# Altium PCB iTOP4412_main_Clasics_v3_2.PcbDoc (part 2 of 7)
Units mil, origin at the board's own origin, x right, y up, seen from the top; angles counter-clockwise.
Board outline 4331.71 x 7481.31 mil, 2 copper layers (TOP, BOTTOM), stack 10.4 mil thick; 260 components, 380 nets, 1380 pads, 1110 vias.
Unrouted connection lines stored in the file: 1.
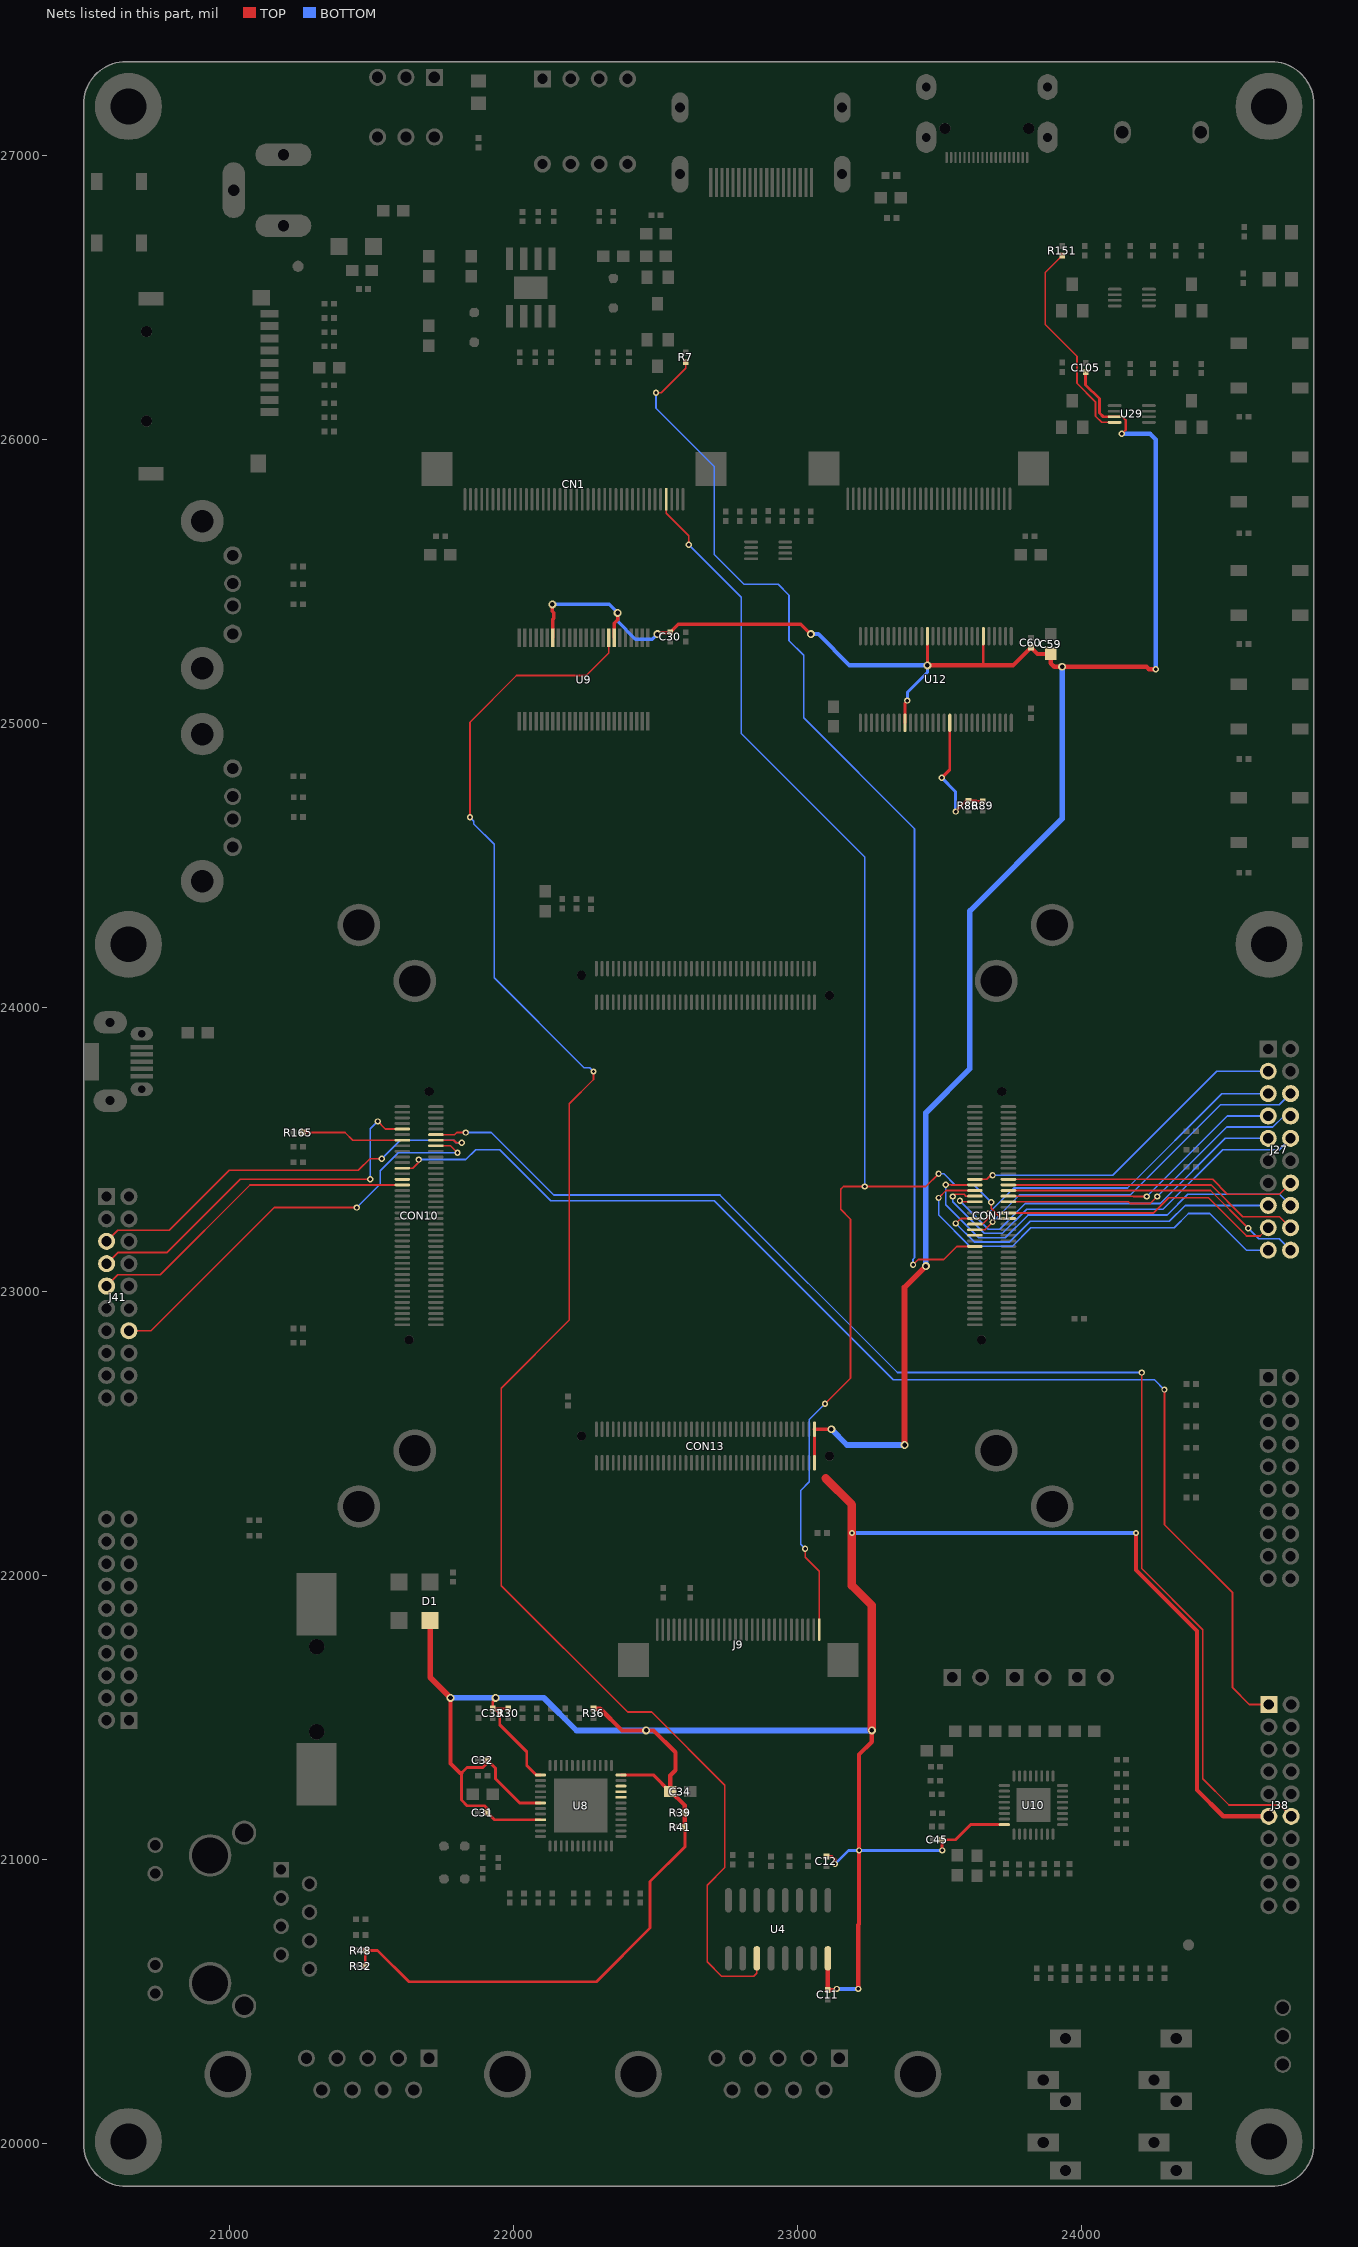
[diagram p2: the nets of this part, all layers, seen from the top]

## Via types
v1: diameter 22, hole 12, TOP to BOTTOM, 637 vias
v2: diameter 28, hole 16, TOP to BOTTOM, 350 vias
v3: diameter 24, hole 12, TOP to BOTTOM, 111 vias
v4: diameter 40, hole 24, TOP to BOTTOM, 12 vias

## Nets (pads, with @x,y where several pads share a name; then routed paths per layer and width w, separated by ;. In a path a pad name is that pad's centre, name@x,y a point inside that pad or via, vN(x,y) a via of type N, cw(c..) or ccw(c..) an arc to the next point about the centre after c; other vN are vias at no path point) (continued)
BUF_XUTXD2/UART_AUDIO_TXD: U4.11 U9.8 | length 5989
  TOP w6: v1(21847.85,24670.57) 21847.85,25005.57 22011.85,25169.57 22256.85,25169.57 22336.43,25249.15 U9.8@22336.43,25303.21 ; v1(22282.85,23775.57) 22282.85,23747.29 22197.85,23662.29 22197.85,22900.57 21957.85,22660.57 21957.85,21965.57 22402.85,21520.57 22487.85,21520.57 22745.35,21263.07 22745.35,20973.07 22682.85,20910.57 22682.85,20640.9 22733.19,20590.57 22847.52,20590.57 22857.85,20600.9 U4.11@22857.85,20653.21
  BOTTOM w6: v1(21847.85,24670.57) 21861.29,24657.13 21861.29,24647.13 21932.85,24575.57 21932.85,24105.57 22249.42,23789.01 22269.42,23789.01 v1(22282.85,23775.57)
CAM2M_PWDN: CON11.46 J27.6 | length 1310
  TOP w6: CON11.46@23625.65,23218.69 23660.97,23218.69 v1(23687.85,23245.57)
  BOTTOM w6: v1(23687.85,23245.57) 23782.85,23340.57 24172.85,23340.57 24490.28,23658 24697.48,23658 J27.6@24737.22,23697.74
CAM2M_RST: CON11.44 J27.5 | length 1232.9
  TOP w6: CON11.44@23625.65,23238.36 23652.36,23238.36 23672.85,23258.86 v1(23672.85,23275.57)
  BOTTOM w6: v1(23672.85,23275.57) 23762.85,23365.57 24162.85,23365.57 24495.02,23697.74 J27.5@24658.48,23697.74
CAM5M_PWDN: CON11.48
CAM5M_RST: CN1.37 CON11.41 J9.30 | length 5064.9
  TOP w6: CN1.37@22538.7,25790.33 22538.7,25741.33 22617.85,25662.18 v1(22617.85,25630.57) ; v1(23027.85,22095.57) 23027.85,22065.57 23077.86,22015.56 J9.30@23077.86,21810.57 ; v1(23097.85,22605.57) 23187.85,22695.57 23187.85,23255.57 23152.85,23290.57 23152.85,23360.57 23162.85,23370.57 v1(23237.85,23370.57) 23452.85,23370.57 v1(23497.85,23415.57) ; v1(23682.85,23315.57) 23682.85,23293.86 23718.66,23258.06 CON11.41@23743.76,23258.06
  BOTTOM w6: v1(22617.85,25630.57) 22802.85,25445.57 22802.85,24965.57 23237.85,24530.57 v1(23237.85,23370.57) ; v1(23027.85,22095.57) 23012.85,22110.57 23012.85,22300.57 23042.85,22330.57 23042.85,22550.57 v1(23097.85,22605.57) ; v1(23497.85,23415.57) 23516.85,23415.57 23556.85,23375.57 23622.85,23375.57 v1(23682.85,23315.57)
CAM_D0: CON11.30 J27.16 | length 1515
  TOP w6: v1(23522.85,23376.82) 23541.85,23376.82 23542.51,23376.17 CON11.30@23625.65,23376.17
  BOTTOM w6: v1(23522.85,23376.82) 23522.85,23306.57 23638.85,23190.57 23732.85,23190.57 23812.85,23270.57 24302.85,23270.57 24375.32,23343.04 24698.22,23343.04 J27.16@24737.22,23304.04
CAM_D1: CON11.29 J27.18 | length 1056
  TOP w6: CON11.29@23743.76,23376.17 24457.26,23376.17 24569.13,23264.29 24698.22,23264.29 J27.18@24737.22,23225.29
CAM_D2: CON11.32 J27.19 | length 1505.8
  TOP w6: v1(23497.85,23330.57) 23523.76,23356.47 CON11.32@23625.65,23356.47
  BOTTOM w6: v1(23497.85,23330.57) 23497.85,23270.57 23607.85,23160.57 23757.85,23160.57 23822.85,23225.57 24327.85,23225.57 24377.85,23275.57 24452.85,23275.57 24581.87,23146.56 J27.19@24658.48,23146.56
CAM_D3: CON11.31 J27.20 | length 1080.4
  TOP w6: CON11.31@23743.76,23356.47 24455.31,23356.47 v1(24587.85,23223.92)
  BOTTOM w6: v1(24587.85,23223.92) 24625.48,23186.29 24697.48,23186.29 J27.20@24737.22,23146.56
CAM_D4: CON11.34 J27.10 | length 1476.3
  TOP w6: v1(23547.85,23335.57) 23555.16,23342.88 23587.83,23342.88 23593.9,23336.8 CON11.34@23625.65,23336.8
  BOTTOM w6: v1(23547.85,23335.57) 23547.85,23316.57 23658.85,23205.57 23722.85,23205.57 23807.85,23290.57 24287.85,23290.57 24497.85,23500.57 24697.54,23500.57 J27.10@24737.22,23540.26
CAM_D5: CON11.33 J27.7 | length 1032.6
  TOP w6: CON11.33@23743.76,23336.8 24182.63,23336.8 24183.85,23335.57 v1(24230.42,23335.57)
  BOTTOM w6: v1(24230.42,23335.57) 24513.84,23619 J27.7@24658.48,23619
CAM_D6: CON11.36 J27.9 | length 1313.7
  TOP w6: v1(23572.85,23320.57) 23576.32,23317.1 CON11.36@23625.65,23317.1
  BOTTOM w6: v1(23572.85,23320.57) 23672.85,23220.57 23712.85,23220.57 23802.85,23310.57 24277.85,23310.57 24507.54,23540.26 J27.9@24658.48,23540.26
CAM_D7: CON11.35 J27.8 | length 1123.9
  TOP w6: CON11.35@23743.76,23317.1 24166.32,23317.1 24172.85,23310.57 24242.85,23310.57 v1(24267.85,23335.57)
  BOTTOM w6: v1(24267.85,23335.57) 24512.28,23580 24674.64,23580 24713.64,23619 J27.8@24737.22,23619
CAM_HREF: CON11.27 J27.14 | length 1031.2
  TOP w6: CON11.27@23743.76,23395.84 24462.58,23395.84 24514.65,23343.78 24698.22,23343.78 J27.14@24737.22,23382.78
CAM_MCLK: CON11.28 J27.3 | length 1190.5
  TOP w6: CON11.28@23625.65,23395.84 23667.85,23395.84 23680.04,23408.03 23685.31,23408.03 v1(23687.85,23410.57)
  BOTTOM w6: v1(23687.85,23410.57) 24110.85,23410.57 24476.76,23776.48 J27.3@24658.48,23776.48
CAM_PCLK: CON11.39 J27.17 | length 1004.2
  TOP w6: CON11.39@23743.76,23277.73 24252.85,23277.73 24255.02,23277.74 24307.85,23330.57 24447.85,23330.57 24582.12,23196.3 24629.49,23196.3 J27.17@24658.48,23225.29
CAM_VSYNC: CON11.42 J27.15 | length 1255.8
  TOP w6: v1(23557.85,23240.57) 23575.34,23258.06 CON11.42@23625.65,23258.06
  BOTTOM w6: v1(23557.85,23240.57) 23622.85,23175.57 23747.85,23175.57 23820.35,23248.07 24310.35,23248.07 24366.32,23304.04 J27.15@24658.48,23304.04
CBL_CEC: R151.1 U29.8 | length 741
  TOP w6: R151.1@23932.85,26649.07 23932.85,26648.57 23872.85,26588.57 23872.85,26405.57 23984.85,26293.57 23984.85,26198.57 24049.85,26133.57 24049.85,26083.57 24072.39,26061.03 U29.8@24117.81,26061.03
CHG_COK: CON10.66 J41.14 | length 1529.1
  TOP w6: J41.14@20647.22,22862.78 20725.06,22862.78 21158.85,23296.57 v1(21448.85,23296.57) ; CON10.66@21728.01,23513.95 21779.47,23513.95 v1(21803.85,23489.57)
  BOTTOM w6: v1(21448.85,23296.57) 21531.85,23379.57 21531.85,23425.57 21595.85,23489.57 v1(21803.85,23489.57)
CHG_DOK: CON10.67 R165.1 | length 361.8
  TOP w6: R165.1@21259.35,23560.57 21407.85,23560.57 21434.85,23533.57 21444.14,23533.57 21444.21,23533.64 CON10.67@21609.9,23533.64
CHG_EN: CON11.52 R7.2 | length 3926.7
  TOP w6: v1(22502.85,26165.57) 22521.85,26165.57 22607.85,26251.57 R7.2@22607.85,26274.07 ; v1(23407.85,23095.57) 23425.85,23113.57 23515.85,23113.57 23561.9,23159.62 CON11.52@23625.65,23159.62
  BOTTOM w6: v1(22502.85,26165.57) 22502.85,26110.57 22707.85,25905.57 22707.85,25595.57 22812.85,25490.57 22932.85,25490.57 22970.85,25452.57 22970.85,25292.57 23022.85,25240.57 23022.85,25020.57 23412.85,24630.57 23412.85,23119.57 23407.85,23114.57 v1(23407.85,23095.57)
CHG_FLT: CON10.68 J41.5 | length 1496.4
  TOP w6: J41.5@20568.48,23177.74 20607.48,23216.74 20789.02,23216.74 20999.85,23427.57 21454.85,23427.57 21495.85,23468.57 v1(21536.85,23468.57) ; CON10.68@21728.01,23533.64 21790.78,23533.64 21799.85,23524.57 v1(21818.85,23524.57)
  BOTTOM w6: v1(21536.85,23468.57) 21602.29,23534.01 21790.42,23534.01 21799.85,23524.57 v1(21818.85,23524.57)
CHG_UOK: CON10.71 J41.7 | length 1363.9
  TOP w6: J41.7@20568.48,23099 20607.48,23138 20780.28,23138 21038.45,23396.17 v1(21496.85,23396.17) ; v1(21523.19,23599.84) 21550.02,23573.01 CON10.71@21609.9,23573.01
  BOTTOM w6: v1(21496.85,23396.17) 21496.85,23573.5 v1(21523.19,23599.84)
CLK_SEL: R86.2 R89.1 U12.17 | length 455.2
  TOP w10: v1(23508.71,24809.71) 23537.07,24838.07 U12.17@23537.07,25003.33 ; v1(23557.85,24690.57) 23594.67,24727.39 R86.2@23602.85,24727.39 23631.54,24727.39 23631.85,24727.07 R89.1@23652.85,24727.07
  BOTTOM w10: v1(23508.71,24809.71) 23557.85,24760.57 v1(23557.85,24690.57)
COMPASS_RDY: CON10.57 J38.1 | length 4366.6
  TOP w6: CON10.57@21609.9,23435.21 21646.4,23435.21 21667.85,23456.67 v1(21667.85,23465.57) ; v1(24292.85,22655.57) 24292.85,22180.57 24532.85,21940.57 24532.85,21605.57 24591.52,21546.9 J38.1@24660.48,21546.9
  BOTTOM w6: v1(21667.85,23465.57) 21832.85,23465.57 21867.85,23500.57 21952.85,23500.57 22132.85,23320.57 22707.85,23320.57 23337.85,22690.57 24257.85,22690.57 v1(24292.85,22655.57)
DC33_EN: CON10.70 J38.12 | length 4723.1
  TOP w6: CON10.70@21728.01,23553.32 21793.61,23553.32 21800.85,23560.57 v1(21832.85,23560.57) ; v1(24212.85,22715.57) 24212.85,22025.57 24427.85,21810.57 24427.85,21285.57 24520.48,21192.94 24699.48,21192.94 J38.12@24739.22,21153.2
  BOTTOM w6: v1(21832.85,23560.57) 21922.85,23560.57 22142.85,23340.57 22727.85,23340.57 23352.85,22715.57 v1(24212.85,22715.57)
DC33V: C11.1 C12.1 C30.1 C31.1 C32.1 C33.1 C34.1 C45.1 C59.1 C60.1 C105.1 CON13.1 CON13.2 D1.1 J38.11 R30.2 R32.2 R36.1 R39.1 R41.1 R48.1 U4.16 U8.24 U8.37 U8.42 U8.45 U9.7 U9.18 U10.32 U12.9 U12.34 U12.44 U29.7 | length 18557
  TOP w8: U29.7@24117.81,26080.73 24144.85,26080.73 24157,26068.58 24157,26034.71 v1(24142.85,26020.57)
  TOP w10: R32.2@21479.35,20625.57 R48.1@21479.35,20680.57 21522.85,20680.57 21632.85,20570.57 22292.85,20570.57 22481.85,20759.57 22481.85,20923.69 22604.35,21046.19 R41.1@22604.35,21115.57 ; v2(21937.85,21570.57) 21937.85,21565.57 21927.85,21555.57 C33.1@21927.85,21532.07 C33.1@21936.85,21532.07 ; R30.2@21982.85,21532.07 C33.1@21936.85,21532.07 ; U8.45@22096.12,21141.36 21934.07,21141.36 21909.85,21165.57 C31.1@21909.35,21165.57 21909.35,21180.07 21898.85,21190.57 21837.85,21190.57 21817.85,21210.57 21817.85,21305.57 21837.85,21325.57 21892.85,21325.57 21909.35,21342.07 C32.1@21909.35,21350.57 21909.85,21350.57 21937.85,21322.57 21937.85,21285.57 22023.01,21200.41 U8.42@22096.12,21200.41 ; U8.37@22096.12,21298.84 22081.12,21298.84 22047.85,21332.11 22047.85,21380.57 21952.85,21475.57 21952.85,21516.07 C33.1@21936.85,21532.07 ; CON13.1@23060.69,22397.81 CON13.2@23060.69,22515.93 ; C12.1@23102.85,21012.07 23122.85,21012.07 23132.85,21002.07 v1(23132.85,20985.57) ; U12.9@23379.59,25003.33 23379.59,25073.3 v1(23387.85,25081.57) ; v2(23458.33,25205.57) U12.44@23458.33,25308.44 ; v1(23510.35,21033.07) C45.1@23510.35,21070.57 23557.85,21070.57 23611.22,21123.94 U10.32@23729.27,21123.94 ; 23655.18,25205.57 U12.34@23655.18,25308.44 ; C105.1@24015.35,26237.67 24015.35,26193.07 24063.85,26144.57 24063.85,26094.57 24077.7,26080.73 U29.7@24117.81,26080.73
  TOP w12: v2(22137.85,25420.57) 22137.85,25395.57 22142.85,25390.57 22142.85,25370.54 22139.58,25367.26 U9.18@22139.58,25303.21 ; U9.7@22356.13,25303.21 22356.13,25353.84 22367.85,25365.57 v2(22367.85,25390.57) ; U8.24@22379.59,21298.84 22492.59,21298.84 22550.85,21240.57 C34.1@22552.85,21240.57 ; v2(22507.85,25315.57) 22512.85,25320.57 22551.35,25320.57 C30.1@22552.85,25322.07 22552.85,25322.57 22580.85,25350.57 23012.85,25350.57 v2(23047.85,25315.57) ; CON13.2@23060.69,22515.93 v2(23120.21,22515.93)
  TOP w15: v2(21779.35,21570.57) 21779.35,21339.07 21812.85,21305.57 21817.85,21305.57 ; R36.1@22282.85,21532.07 22306.35,21532.07 22382.85,21455.58 v2(22467.85,21455.58) 22494.35,21455.58 22571.35,21378.58 22571.35,21315.57 22552.85,21297.07 C34.1@22552.85,21240.57 22554.85,21240.57 22604.35,21191.07 R39.1@22604.35,21165.57 R41.1@22604.35,21115.57 ; U4.16@23107.85,20653.21 C11.1@23107.85,20542.07 23135.85,20542.07 v1(23139.35,20545.57) ; v1(23214.47,20545.57) 23214.47,20770.57 23217.85,20773.95 v1(23217.85,21033.07) 23217.85,21370.57 23262.85,21415.57 v2(23262.85,21455.57) ; v2(23458.33,25205.57) 23655.18,25205.57 23759.85,25205.57 C60.1@23822.85,25268.57 ; C60.1@23822.85,25269.07 C60.1@23822.85,25268.57 ; v1(24192.85,22150.57) 24192.85,22020.57 24407.85,21805.57 24407.85,21245.57 24500.22,21153.2 J38.11@24660.48,21153.2 ; v1(24262.09,25192.1) 24237.83,25192.1 24229.35,25200.57 v2(23932.85,25200.57) 23904.85,25200.57 23892.85,25212.57 C59.1@23892.85,25245.57 23845.85,25245.57 C60.1@23822.85,25268.57
  TOP w20: D1.1@21707.85,21842.58 21707.85,21642.07 v2(21779.35,21570.57) ; v2(23377.85,22460.57) 23377.85,23015.57 v2(23452.85,23090.57)
  TOP w30: 23099.85,22343.57 23192.85,22250.57 v1(23192.85,22150.57) 23192.85,21965.57 23262.85,21895.57 v2(23262.85,21455.57)
  BOTTOM w10: v1(23132.85,20985.57) 23180.35,21033.07 v1(23217.85,21033.07) v1(23510.35,21033.07) ; v1(23387.85,25081.57) 23387.85,25110.57 23458.33,25181.04 v2(23458.33,25205.57)
  BOTTOM w12: v2(22137.85,25420.57) 22337.85,25420.57 v2(22367.85,25390.57) 22367.85,25360.57 22430.53,25297.89 22490.18,25297.89 v2(22507.85,25315.57)
  BOTTOM w15: v2(23047.85,25315.57) 23074.35,25315.57 23184.35,25205.57 v2(23458.33,25205.57) ; v1(23139.35,20545.57) v1(23214.47,20545.57) ; v1(23192.85,22150.57) v1(24192.85,22150.57) ; v1(24142.85,26020.57) 24242.85,26020.57 24262.35,26001.07 24262.35,25565.42 24262.09,25565.16 v1(24262.09,25192.1)
  BOTTOM w20: v2(21779.35,21570.57) v2(21937.85,21570.57) 22107.85,21570.57 22222.85,21455.58 v2(22467.85,21455.58) 22496.85,21455.58 ; 22496.86,21455.57 v2(23262.85,21455.57) ; v2(23120.21,22515.93) 23175.57,22460.57 v2(23377.85,22460.57) ; v2(23452.85,23090.57) 23452.85,23630.57 23607.85,23785.57 23607.85,24340.57 23932.85,24665.57 v2(23932.85,25200.57)
EECK: U8.21
EECS: U8.22
EEDIO: U8.20
GM_INT1: CON10.51 J41.9 | length 1188.8
  TOP w6: J41.9@20568.48,23020.26 20608.22,23060 20757.28,23060 21073.45,23376.17 CON10.51@21609.9,23376.17
GM_INT2: CON10.53